# Altium PCB CRD25DA12N-FMC V1.1 (07-2023).PcbDoc (part 2 of 7) (continued)
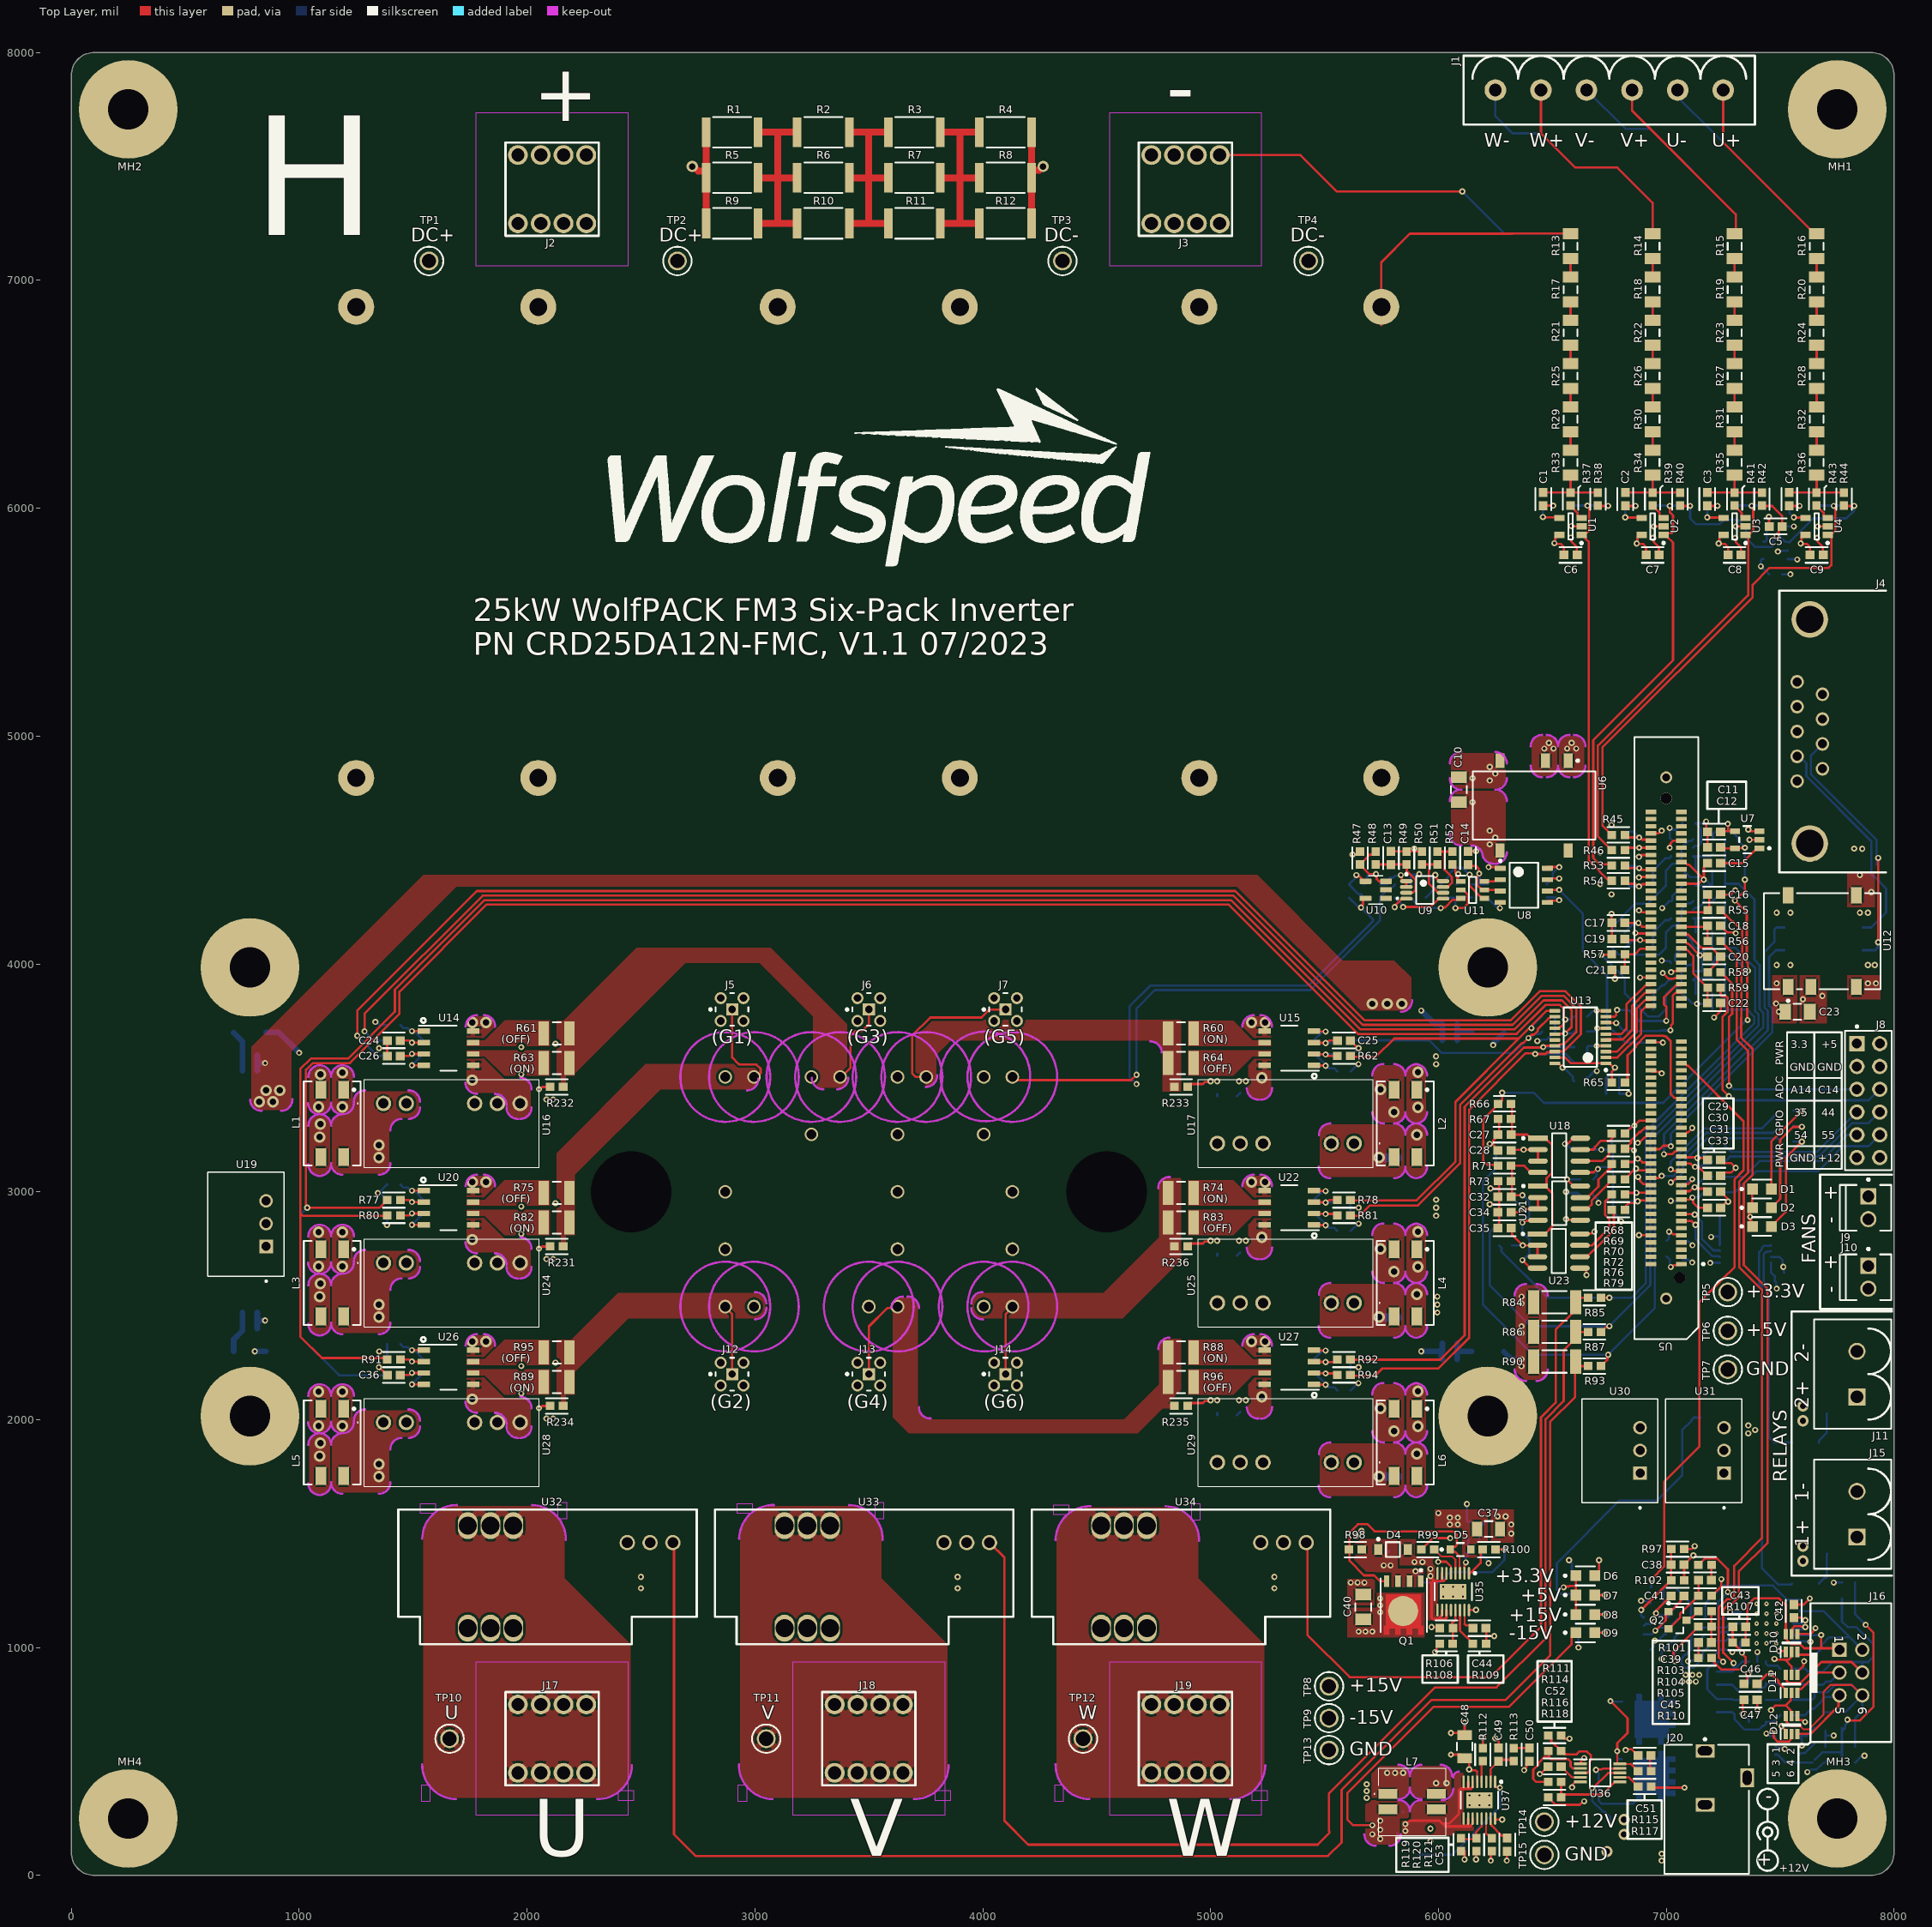
[diagram p0: Top Layer view]
## Part data (continued)
J2 J3 J17 J18 J19: "TERM REDCUBE M4 8PIN PCB", Current Rating=80A, Manufacturer="WURTH ELEKTRONIK", Manufacturer Print=WURTH, Max Operating Temperature=135°C, Min Operating Temperature=-40°C, Package=N/A, Package Quantity=250, Supplier Part Number 1=1224952, Category=Terminals, ComponentLink1Description=https://datasheet.ciiva.com/8043/1736661-8043578.pdf?src-supplier=Element14, ComponentLink1URL=https://datasheet.ciiva.com/8043/1736661-8043578.pdf?src-supplier=Element14, ComponentLink2Description=https://datasheet.ciiva.com/13538/powerelements20with20220row20pin20plate-13538549.pdf?src-supplier=Mouser, ComponentLink2URL=https://datasheet.ciiva.com/13538/powerelements20with20220row20pin20plate-13538549.pdf?src-supplier=Mouser, ComponentLink3Description=https://datasheet.ciiva.com/23814/606286-23814304.pdf?src-supplier=Newark, ComponentLink3URL=https://datasheet.ciiva.com/23814/606286-23814304.pdf?src-supplier=Newark, ComponentLink4Description=https://datasheet.ciiva.com/847/bushes-847081.pdf?src-supplier=Digi-Key, ComponentLink4URL=https://datasheet.ciiva.com/847/bushes-847081.pdf?src-supplier=Digi-Key, Contact Material=Copper, Contact Plating=Tin, Height=10.5mm, Insulation=Non-Insulated, Length=9mm, Manufacturer Part Number=7460307, Mount="Through Hole", Number of Contacts=8, Number of Pins=8, Number of Rows=2, Packaging=Bulk, RoHS=Yes, RoHS Compliant=Yes, Series="REDCUBE WP-BUTR", Stock 1=1875, Supplier 1=Rs, Termination=Press-Fit, Thread Size=M4, Width=9mm
J4: "CONN D-SUB PLUG 9POS R/A SLDR", Color=Black, Current Rating=5A, Manufacturer=AMPHENOL, Max Operating Temperature=155°C, Max Supply Voltage (AC)=250V, Min Operating Temperature=-55°C, Package=N/A, Supplier Part Number 1=70145033, Category=Uncategorized, ComponentLink1Description=https://datasheet.ciiva.com/16443/l717sde09pa4ch4rc309-16443356.pdf?src-supplier=Future+Electronics, ComponentLink1URL=https://datasheet.ciiva.com/16443/l717sde09pa4ch4rc309-16443356.pdf?src-supplier=Future+Electronics, ComponentLink2Description=https://datasheet.ciiva.com/12662/l717sde09pa4ch4rc309-12662371.pdf?src-supplier=Mouser, ComponentLink2URL=https://datasheet.ciiva.com/12662/l717sde09pa4ch4rc309-12662371.pdf?src-supplier=Mouser, ComponentLink3Description=https://datasheet.ciiva.com/16914/70145027-16914009.pdf?src-supplier=Allied+Electronics, ComponentLink3URL=https://datasheet.ciiva.com/16914/70145027-16914009.pdf?src-supplier=Allied+Electronics, ComponentLink4Description=https://datasheet.ciiva.com/16748/sd-hdh808-16748518.pdf?, ComponentLink4URL=https://datasheet.ciiva.com/16748/sd-hdh808-16748518.pdf?, Connector Type=D-Sub,Plug, Contact Material=Brass, Contact Plating=Gold, Contact Type=Signal, Depth=20.3mm, Housing Material=Thermoplastic, Lead Free="Lead Free", Length=30.81mm, Manufacturer Part Number=L717SDE09PA4CH4RC309, Mount="Through Hole", Number of Contacts=9, Number of Ports=1, Number of Positions=9, Number of Rows=2, Number of Terminals/Pins=9, Orientation="Right Angle", Packaging=Tray, Pitch=2.74mm, RoHS=Yes, RoHS Compliant=Yes, Series=SD, Supplier 1="Allied Electronics", Termination=Solder, Voltage Rating=250V
J5 J6 J7 J12 J13 J14: "CONN MMCX JACK STR 50 OHM PCB", Manufacturer=MOLEX, Manufacturer Part Number=73415-1471, Max Frequency=6GHz, Operating Frequency=N/A, Package Quantity=500, Supplier Part Number 1=70364031, Body Material=Brass, Body Plating=Gold, Category="RF / Coaxial Connectors", Connector Type=PCB,MMCX,Coaxial, Contact Material=Copper, Contact Plating=Gold, Depth=3.51mm, Gender=Female, Halogen Free="Low Halogen", Impedance=50R, Insulation Material=Teflon, Lead Free="Lead Free", Length=3.51mm, Manufacturer Print=MOLEX, Mount="Through Hole", Orientation=Straight, Package=N/A, Packaging=Bulk, Plating=Gold, Pricing 1="1=2.94000, 5=2.79000, 100=2.65000 (USD)", Radiation Hardening=No, RoHS=Yes, RoHS Compliant=Yes, Series=73415, Stock 1=18, Supplier 1="Allied Electronics", Termination=Solder
J8: "CONN HEADER VERT 12POS 2.54MM", Color=Black, Flammability Rating="UL94 V-0", Manufacturer="WURTH ELEKTRONIK", Manufacturer Print=WURTH, Max Operating Temperature=105°C, Min Operating Temperature=-40°C, Package=N/A, Supplier Part Number 1=732-5297-ND, Voltage Rating=250V, Category="Headers and Wire Housings", ComponentLink1Description=http://www.farnell.com/datasheets/1442180.pdf?src-supplier=Farnell, ComponentLink1URL=http://www.farnell.com/datasheets/1442180.pdf?src-supplier=Farnell, ComponentLink2Description=http://www.farnell.com/datasheets/1442180.pdf?src-supplier=Newark, ComponentLink2URL=http://www.farnell.com/datasheets/1442180.pdf?src-supplier=Newark, ComponentLink3Description=http://www.farnell.com/datasheets/1442180.pdf?src-supplier=Element14, ComponentLink3URL=http://www.farnell.com/datasheets/1442180.pdf?src-supplier=Element14, ComponentLink4Description=https://katalog.we-online.de/em/datasheet/6130xx21121.pdf?src-supplier=Digi-Key, ComponentLink4URL=https://katalog.we-online.de/em/datasheet/6130xx21121.pdf?src-supplier=Digi-Key, Connector Type=Header, Contact Finish - Mating=GOLD, Contact Material="Copper Alloy,Copper", Contact Mating Length=0.236inch, Contact Plating=Gold, Contact Shape=Square, Contact Type="Male Pin", Fastening Type=Pull, Gender=Male, Insulation Color=Black, Insulation Material=Nylon, Manufacturer Part Number=61301221121, Mount="Through Hole", Number of Contacts=12, Number of Positions=12, Number of Rows=2, Packaging=Bulk, Pitch=0.1inch, Pricing 1="1=0.83000, 10=0.70700, 25=0.58920, 50=0.49100, 100=0.44700, 1000=0.40600 (USD)", RoHS=Yes, RoHS Compliant=Yes, Row Spacing=0.1inch, Series=WR-PHD, Stock 1=5429, Supplier 1=Digi-Key, Termination=Solder
J9 J10: library part CMP-2000-05417-1, "CONN HEADER VERT 2POS 2.54MM", Color=White, Current, Rating="5 /  / A", Flammability Rating=UL94V-0, Manufacturer=TE, Package=N/A, Temperature, Operating="-55to+105 /  / degC", Voltage, Rating="250 /  / V", Agency Approvals=CSA,UL, Angle=Straight, Brand/Series=MTA-100Series, Color, Housing=White, Connector Type=MTA-100, Contact Centerline Spacing="0.100 /  / in.", Contact Mating Area Plating=Tin, Contact Plating=Tin, Contact Shape=Square, Contact Termination Area Plating=Tin, Datasheet URL=https://datasheet.ciiva.com/11746/0900766b80eb7fdd-11746365.pdf, Datasheet Version="Rev. W, 06/2004", Length, Overall="0.2 /  / \"", Length, Pin="0.14 /  / \"", Length, Terminal Post="0.14 /  / in.", Manufacturer Part Number=640456-2, Manufacturer Print=TE, Manufacturer URL=http://www.te.com/, Material, Contact=CopperAlloy, Material, Housing=Polyester, Mount Angle=Vertical, Mounting Hole Size="0.04 /  / \"", Mounting Type=PCMount, Number of Contacts=2, Number of Positions=2, Number of Rows=1, Pin Spacing="0.1 /  / \"", Primary Type=InterconnectSystem, Size, Post="0.025 /  / in.", Special Features=Pinstrip, Standards=RoHSCompliant,ELVCompliant,UL94V-0, Termination=Solder, Type=PCBPlug
J11 J15: "TERM BLOCK HDR 2POS VERT 5.08MM", Colour=Green, Manufacturer="PHOENIX CONTACT", Package=N/A, Supplier Part Number 1=1896199, Content=250pc(s), Datasheet URL=http://www.mouser.com/ds/2/324/ItemDetail_1755736-921028.pdf, Datasheet Version=Apr-16, Industrial packaging=Yes, Manufacturer Part Number=1755736, Manufacturer URL=http://www.phoenixcontact.com/, Number of Contacts=2, Pitch=5.08mm, Supplier 1=Rs, Type=MSTBVA2,5/2-G-5,08
J16: library part CMP-1502-00000-1, "CONN HEADER VERT 6POS 2.54MM", Contact Resistance=20mOhm, Manufacturer="WURTH ELECTRONIK", Operating Temperature=-40to125degC, Package=N/A, Withstanding Voltage=500VAC, Working Voltage=250VAC, Datasheet URL=https://katalog.we-online.de/em/datasheet/6120xx21621.pdf, Gender=Male, Manufacturer Part Number=61200621621, Manufacturer URL=http://www.we-online.de, Mounting Technology=THT, Orientation=Vertical, Package Reference=61200621621, Packaging=Tray, Pin Number=6, Pitch=2.54mm, Published Date=August2018, Publisher=WurthElektronik
J20: "CONN PWR JACK 2X5.5MM SOLDER", Color=Black, Current Rating=5A, Flammability Rating="UL94 V-0", Insulation Resistance=50MR, Manufacturer="CUI DEVICES", Max Operating Temperature=85°C, Min Operating Temperature=-25°C, Package=N/A, Package Quantity=280, Voltage Rating=24V, Category=Uncategorized, ComponentLink1Description=http://www.mouser.com/ds/2/670/PJ-102AH-524179.pdf?src-supplier=Mouser, ComponentLink1URL=http://www.mouser.com/ds/2/670/PJ-102AH-524179.pdf?src-supplier=Mouser, ComponentLink2Description=https://www.cui.com/product/resource/digikeypdf/pj-102ah.pdf?src-supplier=Digi-Key, ComponentLink2URL=https://www.cui.com/product/resource/digikeypdf/pj-102ah.pdf?src-supplier=Digi-Key, ComponentLink3Description=http://www.cui.com/Product/Resource/FuturePDF/PJ-102AH.pdf?src-supplier=Future+Electronics, ComponentLink3URL=http://www.cui.com/Product/Resource/FuturePDF/PJ-102AH.pdf?src-supplier=Future+Electronics, Connector Type=Jack, Contact Gender=Male, Contact Material=Copper, Contact Plating=Nickel, Diameter=2.1mm, Gender=Male, Housing Color=Black, Housing Material=Thermoplastic, Lead Free="Lead Free", Manufacturer Part Number=PJ-102AH, Manufacturer Print="CUI DEVICES", Mount="Through Hole", Number of Conductors=2, Orientation=Horizontal, Packaging=Bulk, RoHS=Yes, RoHS Compliant=Yes, Series=-, Shielding=Unshielded, Supplier 1="Arrow Electronics", Supplier Part Number 1=PJ-102AH, Termination="Through Hole"
L1 L2 L3 L4 L5 L6: "CMC 10UH 1.6A 2LN 920 OHM SMD", Case/Package=SMD/SMT, Current=1.6A, DC Resistance (DCR)=80mR, Inductance=10uH, Manufacturer="WURTH ELECTRONIK", Manufacturer Print=WURTH, Max Operating Temperature=125°C, Min Operating Temperature=-40°C, Package=4-PC, Package Quantity=1, Supplier Part Number 1=9040408, Test Frequency=1kHz, TOLERANCE=30%, Voltage Rating=80V, Category="Common Mode Chokes", ComponentLink1Description=https://datasheet.ciiva.com/12378/744226s-67907-12378330.pdf?src-supplier=Mouser, ComponentLink1URL=https://datasheet.ciiva.com/12378/744226s-67907-12378330.pdf?src-supplier=Mouser, ComponentLink2Description=https://datasheet.ciiva.com/1008/744226s-1008438.pdf?src-supplier=Digi-Key, ComponentLink2URL=https://datasheet.ciiva.com/1008/744226s-1008438.pdf?src-supplier=Digi-Key, ComponentLink3Description=https://datasheet.ciiva.com/1126/1735584-1126949.pdf?src-supplier=Element14, ComponentLink3URL=https://datasheet.ciiva.com/1126/1735584-1126949.pdf?src-supplier=Element14, ComponentLink4Description=https://datasheet.ciiva.com/6868/1696373-6868167.pdf?src-supplier=Newark, ComponentLink4URL=https://datasheet.ciiva.com/6868/1696373-6868167.pdf?src-supplier=Newark, ComponentLink5Description=https://datasheet.ciiva.com/1008/744226s-1008439.pdf?src-supplier=Digi-Key, ComponentLink5URL=https://datasheet.ciiva.com/1008/744226s-1008439.pdf?src-supplier=Digi-Key, ComponentLink6Description=https://datasheet.ciiva.com/1008/744226s-1008440.pdf?src-supplier=Digi-Key, ComponentLink6URL=https://datasheet.ciiva.com/1008/744226s-1008440.pdf?src-supplier=Digi-Key, ComponentLink7Description=https://datasheet.ciiva.com/26308/744226s-eng-tds-26308764.pdf?src-supplier=Distrelec, ComponentLink7URL=https://datasheet.ciiva.com/26308/744226s-eng-tds-26308764.pdf?src-supplier=Distrelec, ComponentLink8Description=https://datasheet.ciiva.com/48691/001087362-da-01-ml-we-sl2-stromkomp-smd-line-filter-7-de-en-48691435.pdf?src-supplier=Conrad, ComponentLink8URL=https://datasheet.ciiva.com/48691/001087362-da-01-ml-we-sl2-stromkomp-smd-line-filter-7-de-en-48691435.pdf?src-supplier=Conrad, Current Rating=1.6A, Height=0.205inch, Impedance=920R, Lead Free="Lead Free", Length=9.2mm, Manufacturer Part Number=744226S, Max Current Rating=1.6A, Max DC Current=1.6A, Mount="Surface Mount", Number of Lines=2, Packaging="Tape and Reel", Pricing 1="1=2.59000, 25=2.28200, 100=2.10000, 250=1.94000, 500=1.81400 (USD)", Reach SVHC Compliant=Yes, Resistance=80mR, RoHS=Yes, RoHS Compliant=Yes, Series=WE-SL2, Stock 1=1, Supplier 1=Rs, Termination=SMD/SMT, Weight=0.017672oz, Width=6mm
L7: "CMC 6.8UH 2.1A 2LN 70 MOHM SMD", DC Resistance (DCR)=70mR, Inductance - Parallel=6.8uH, Inductance - Series=27.2uH, Manufacturer=COILCRAFT, Max DC Current=2.1A, Max Operating Temperature=85°C, Min Operating Temperature=-40°C, Package=N/A, Package Quantity=250, Supplier Part Number 1=994-MSD7342-682MLC, TOLERANCE=20%, Category="Fixed Inductors", ComponentLink1Description=http://www.mouser.com/ds/2/597/msd7342-220556.pdf?src-supplier=Mouser, ComponentLink1URL=http://www.mouser.com/ds/2/597/msd7342-220556.pdf?src-supplier=Mouser, Core Material=Ferrite, Datasheet Link=https://www.coilcraft.com/pdfs/msd7342.pdf, Height=4.6mm, Lead Free="Contains Lead", Length=7.5mm, Manfacturer Print=COILCRAFT, Manufacturer Part Number=MSD7342-682MLC, Manufacturer_Name=COILCRAFT, Manufacturer_Part_Number=MSD7342-682MLC, Packaging="Tape and Reel", Pricing 1="1=2.61000, 10=2.33000, 50=2.10000, 100=1.94000, 1000=1.33000, 10000=1.31000 (USD)", RoHS=Yes, RoHS Compliant=Yes, Series=MSD7342, Stock 1=83, Supplier 1=Mouser, Termination=SMD/SMT, Width=7.5mm
L8: "FIXED IND 3.3UH 3.3A 27 MOHM SMD", Case/Package=Nonstandard, Current Rating=3.3A, DC Resistance (DCR)=27mR, Inductance=3.3μH, Manufacturer="TAIYO YUDEN", Max Operating Temperature=120°C, Min Operating Temperature=-25°C, Package=N/A, Resistor Type=Wirewound, Saturation Current=4A, Self Resonant Frequency=32MHz, Test Frequency=100kHz, TOLERANCE=30%, Category="Fixed Inductors", ComponentLink1Description=https://www.yuden.co.jp/productdata/catalog/wound04_e.pdf?src-supplier=Digi-Key, ComponentLink1URL=https://www.yuden.co.jp/productdata/catalog/wound04_e.pdf?src-supplier=Digi-Key, ComponentLink2Description=http://www.yuden.co.jp/productdata/catalog/en/wound04_e.pdf?src-supplier=Digi-Key, ComponentLink2URL=http://www.yuden.co.jp/productdata/catalog/en/wound04_e.pdf?src-supplier=Digi-Key, Core Material=Ferrite, Datasheet Link=https://datasheet.datasheetarchive.com/originals/distributors/DKDS42/DSANUWW0054077.pdf, Height=4.1mm, Height - Seated (Max)=0.161inch, Length=0.193inch, Manufacturer Part Number=NRS5040T3R3NMGJ, Manufacturer_Name="TAIYO YUDEN", Manufacturer_Part_Number=NRS5040T3R3NMGJ, Max DC Current=3.3A, Mount="Surface Mount", Packaging="Tape and Reel", Pricing 1="1500=0.13148 (USD)", RoHS=Yes, RoHS Compliant=Yes, Shielding=Shielded, Stock 1=21000, Supplier 1=Avnet, Supplier Part Number 1=NRS5040T3R3NMGJ, Width=0.193inch
MH1 MH2 MH3 MH4: "HEX STANDOFF M4 ALUMINUM 51MM F-F", Manufacturer=MCMASTER-CARR, Manufacturer Part Number=95947A552, Package=N/A, Size=M4
Q1: "MOSFET P-CH 60V 8.6A PPAK SO-8", Continuous Drain Current=-8.6A, Drain To Source Resistance=0.0115Ω, Drain To Source Voltage=-60V, Gate To Source Voltage=20V, Manufacturer=VISHAY, Max Forward Diode Voltage=-1.2V, Max Junction Temp=+150°C, Package="PowerPAK SO-8", Power Dissipation=1.9W, Pulse Drain Current=-60A, Temperature="-55°C to +150°C", Temperature Range Low=-55°C, Typ Forward Diode Voltage=-0.8V, Automotive=No, Category=Trans, ComponentLink2Description=Datasheet, ComponentLink2URL=http://www.vishay.com/docs/72567/si7461dp.pdf, Depletion Mode=False, Device Class L1="Discrete Semiconductors", Device Class L2=Transistors, Device Class L3=MOSFETs, Digikey Description="MOSFET P-CH 60V 8.6A PPAK SO-8", Gate Charge At Vgs="121nC @ -10V", Height=1.17mm, Lead Free=Yes, Manufacturer Part Number=SI7461DP-T1-E3, Mouser Description="MOSFET 60V 14.4A 5.4W 14.5mohm @ 10V", Number Of Channels=1, Number Of P Channels=1, Octopart=https://octopart.com/si7461dp-t1-e3-vishay-42273025, Reverse Recovery Time=45ns, RoHS=TRUE, Rthja Max=52°C/W, Standoff Height=0mm, Temperature Range High=+150°C, Threshold Vgs Max=-3V, Threshold Vgs Min=-1V, Transconductance=31S, Turn Off Delay Time=205ns, Turn On Delay Time=20ns
Q2: library part CMP-1048-00731-1, "TRANS NPN 45V 0.5A SOT23-3", Manufacturer=ONSEMI, Package=SOT-23-3, ComponentLink1Description="Manufacturer URL", ComponentLink1URL=http://www.onsemi.com/, ComponentLink2Description=Datasheet, ComponentLink2URL=http://www.onsemi.com/pub_link/Collateral/BC817-16LT1-D.PDF, ComponentLink3Description="Package Specification", ComponentLink3URL=http://www.onsemi.cn/pub_link/Collateral/318-08.PDF, DatasheetVersion="Rev. 12", fT Min (MHz)=100, IC Continuous (A)=0.5, Manufacturer Part Number=BC817-16LT3G, Mounting Technology="Surface Mount", PackageDescription="3-Pin Small Outline Transistor, Body 2.92 x 1.3 mm, Pitch 0.95 mm", PackageReference=SOT-23-3-318-08, PackageVersion="Rev. AP, 11/2009", Packing="Tape and Reel", PartNumber=BC817-16LT3G, Polarity=NPN, RoHS=TRUE
Q3: "1200V silicon carbide six-pack power module delivering maximum power density", Manufacturer=WOLFSPEED, Mfr_Name="Cree Wolfspeed", Package=FMC, Category=MOSFETs, Copyright="Copyright (C) 2021 Ultra Librarian. All rights reserved.", Manufacturer Part Number=CCB021M12FM3, Manufacturer Print=WOLFSPEED, Manufacturer_Part_Number=CCB021M12FM3, Pricing 1="1=248.05500, 10=245.57100, 25=243.75400, 50=241.29300, 100=238.84350, 500=236.39400 (USD)", RefDes=RefDes, RoHS=No, Stock 1=52, Supplier 1="Arrow Electronics", Supplier Part Number 1=CCB021M12FM3, Type=DEV
Q4 Q5: library part CMP-1046-00010-1, "TRANS NPN 80V 8A DPAK", Manufacturer=ONSEMI, Package=TO-252-3, ComponentLink1Description="Manufacturer URL", ComponentLink1URL=http://www.onsemi.com/, ComponentLink2Description=Datasheet, ComponentLink2URL=http://www.onsemi.cn/pub_link/Collateral/MJD44H11-D.PDF, ComponentLink3Description="Package Specification", ComponentLink3URL=http://www.onsemi.cn/pub_link/Collateral/369C.PDF, DatasheetVersion="Rev. 16", IC Continuous (A)=8, Manufacturer Part Number=MJD44H11T4G, Mounting Technology="Surface Mount", PackageDescription="3-Pin Flange Mount, Body 6.54 x 6.095 mm, Pitch 2.29 mm", PackageReference=DPAK-3-369C-01, PackageVersion="Rev. E, 02/2014", Packing="Tape and Reel", PartNumber=MJD44H11T4G, Polarity=NPN, RoHS=TRUE
Q6 Q7: "MOSFET N-CH 120V 90A PWRDI5060-8", Manufacturer="DIODES INC", Package=8-PowerTDFN, Supplier Part Number 1=68AH9585, Category=MOSFETs, Manufacturer Part Number=DMT12H007LPS-13, Pricing 1="1=1.79000, 10=1.60000, 25=1.49000, 50=1.37000, 100=1.25000, 250=1.14000, 500=1.03000, 1000=0.81500 (USD)", RoHS=Yes, RoHS Compliant=Yes, Stock 1=2500, Supplier 1=Newark
R1 R2 R3 R4 R5 R6 R7 R8 R9 R10 R11 R12: library part CMP-03211-002966-1, "RES 220K OHM 1% 2W 2512", Ambient Temperature Range High=+70°C, Manufacturer=TE, Package=2512, Power Rating=2W, Resistance=220kΩ, Temperature="-55°C to +155°C", Temperature Coefficient=±100ppm/°C, Temperature Range High=+155°C, Temperature Range Low=-55°C, TOLERANCE=0.01, Voltage Rating=500V, Automotive=No, Category=Res, ComponentLink2Description=Datasheet, ComponentLink2URL=https://www.mouser.ca/datasheet/2/418/NG_DS_9-1773463-9_A-1358566.pdf, Composition="Thick Film", Device Class L1="Passive Components", Device Class L2=Resistors, Device Class L3="Chip SMD Resistors", Height=0.65mm, Ipc Land Pattern Name=RESC635320X55, Lead Free=Yes, Manufacturer Part Number=CRGP2512F220K, Octopart=https://octopart.com/crgp2512f220k-te+connectivity-91019045, RoHS=TRUE, Series=CRGP
R13 R14 R15 R16 R17 R18 R19 R20 R21 R22 R23 R24 R25 R26 R27 R28 R29 R30 R31 R32 R33 R34 R35 R36 R122 R123 R124 R125 R126 R127 R128 R129 R130 R131 R132 R133 R134 R135 R136 R137 R138 R139 R140 R141 R142 R143 R144 R145: library part CMP-2003-04604-1, "RES 249K OHM 0.1% 1/4W 1206", Manufacturer="VISHAY DALE", Package=1206, POWER=0.25W, Resistance=249kΩ, Manufacturer Part Number=TNPW1206249KBEEA
R37 R39 R41 R43 R147 R149 R151 R153: "RES 4.99K OHM 1% 1/10W 0603", Case Code (Imperial)=0603, Case Code (Metric)=1608, Manufacturer=YAGEO, Max Operating Temperature=155°C, Max Power Dissipation=0.1W, Min Operating Temperature=-55°C, Package Quantity=1, Resistance=4.99kΩ, Resistance Tolerance=1%, Resistor Type="Thick Film", Supplier Part Number 1=1995595, Temperature Coefficient=100ppm/°C, Voltage Rating=75V, Voltage Rating (DC)=50V, Category="Chip SMD Resistors", ComponentLink1Description=https://datasheet.ciiva.com/7983/443971-7983646.pdf?src-supplier=Element14, ComponentLink1URL=https://datasheet.ciiva.com/7983/443971-7983646.pdf?src-supplier=Element14, ComponentLink2Description=https://datasheet.ciiva.com/22747/443971-22747529.pdf?src-supplier=Element14, ComponentLink2URL=https://datasheet.ciiva.com/22747/443971-22747529.pdf?src-supplier=Element14, ComponentLink3Description=https://datasheet.ciiva.com/2453/pyu-r-int-thick-7-2453980.pdf?src-supplier=Digi-Key, ComponentLink3URL=https://datasheet.ciiva.com/2453/pyu-r-int-thick-7-2453980.pdf?src-supplier=Digi-Key, ComponentLink4Description=https://datasheet.ciiva.com/2453/pyu-r-int-thick-7-2453981.pdf?src-supplier=Digi-Key, ComponentLink4URL=https://datasheet.ciiva.com/2453/pyu-r-int-thick-7-2453981.pdf?src-supplier=Digi-Key, ComponentLink5Description=https://datasheet.ciiva.com/2453/pyu-r-int-thick-7-2453979.pdf?src-supplier=Digi-Key, ComponentLink5URL=https://datasheet.ciiva.com/2453/pyu-r-int-thick-7-2453979.pdf?src-supplier=Digi-Key, Construction=Rectangular, Depth=0.8mm, Features="Moisture Resistant", Height=0.45mm, Lead Free="Lead Free", Length=1.6mm, Manufacturer Part Number=RC0603FR-074K99L, Military Standard=Not, Number of Pins=2, Number of Terminations=2, Package=0603, Packaging="Tape and Reel", Power Rating=0.1W, RoHS=Yes, RoHS Compliant=Yes, Series=RC, Size Code=0603, Stock 1=3700, Supplier 1=Rs, Termination=SMD/SMT, TOLERANCE=1%, Weight=7.1E-05oz, Width=0.8mm
R38 R152: "RES SMD 3.74K OHM 0.1% 1/5W 0603", Case Code (Imperial)=0603, Case Code (Metric)=1608, Manufacturer=PANASONIC, Max Operating Temperature=155°C, Max Power Dissipation=0.2W, Min Operating Temperature=-55°C, Resistance=3.74kΩ, Resistor Type="Thick Film", Temperature Coefficient=50ppm/°C, TOLERANCE=0.1%, Category="Chip SMD Resistors", ComponentLink1Description=https://industrial.panasonic.com/sa/system/files/data/download/catalog/id_fixed-resistors_e_2.pdf?src-supplier=Digi-Key, ComponentLink1URL=https://industrial.panasonic.com/sa/system/files/data/download/catalog/id_fixed-resistors_e_2.pdf?src-supplier=Digi-Key, Features="Automotive AEC-Q200", Height - Seated (Max)=0.022inch, Length=0.063inch, Manufacturer Part Number=ERJ-PB3B3741V, Number of Terminations=2, Package=0603, Packaging="Tape and Reel", Pricing 1="1=0.04530, 10=0.01990, 100=0.01980 (USD)", RoHS=Yes, Stock 1=1328, Supplier 1="Arrow Electronics", Supplier Part Number 1=ERJ-PB3B3741V, Width=0.032inch
R40 R42 R44 R146 R148 R150: "RES SMD 1.8K OHM 0.1% 1/5W 0603", Case Code (Imperial)=0603, Case Code (Metric)=1608, Manufacturer=PANASONIC, Max Operating Temperature=155°C, Max Power Dissipation=0.2W, Min Operating Temperature=-55°C, Resistance=1.8kΩ, Resistor Type="Thick Film", Temperature Coefficient=50ppm/°C, TOLERANCE=0.1%, Category="Chip SMD Resistors", ComponentLink1Description=https://industrial.panasonic.com/sa/system/files/data/download/catalog/id_fixed-resistors_e_2.pdf?src-supplier=Digi-Key, ComponentLink1URL=https://industrial.panasonic.com/sa/system/files/data/download/catalog/id_fixed-resistors_e_2.pdf?src-supplier=Digi-Key, Features="Automotive AEC-Q200", Height - Seated (Max)=0.022inch, Length=0.063inch, Manufacturer Part Number=ERJ-PB3B1801V, Number of Terminations=2, Package=0603, Packaging="Tape and Reel", Pricing 1="1=0.24860, 10=0.21250, 25=0.15580, 100=0.08750, 250=0.07800, 500=0.04680, 1000=0.02760, 3000=0.02730, 6000=0.02700 (USD)", RoHS=Yes, Stock 1=7475, Supplier 1="Arrow Electronics", Supplier Part Number 1=ERJ-PB3B1801V, Width=0.032inch
R45 R46 R53 R54 R57 R62 R65 R68 R69 R70 R72 R76 R77 R78 R79 R80 R81 R91 R92 R94 R168 R171 R181 R182 R186 R194 R198 R199 R204: "RES SMD 49.9 OHM 1% 1/10W 0603", Case Code (Imperial)=0603, Case Code (Metric)=1608, Manufacturer=PANASONIC, Max Operating Temperature=155°C, Max Power Dissipation=100mW, Min Operating Temperature=-55°C, Package Quantity=5000, Power Rating=0.1W, Resistance=49.9Ω, Resistance Tolerance=1%, Resistor Type="Thick Film", Supplier Part Number 1=12AC1058, Temperature Coefficient=100ppm/°C, Voltage Rating=75V, Voltage Rating (DC)=50V, Working Voltage=6V, Category="Chip SMD Resistors", ComponentLink1Description=https://datasheet.ciiva.com/46388/1678782-46388908.pdf?src-supplier=Element14, ComponentLink1URL=https://datasheet.ciiva.com/46388/1678782-46388908.pdf?src-supplier=Element14, ComponentLink2Description=https://datasheet.ciiva.com/28694/1678782-28694219.pdf?src-supplier=Element14, ComponentLink2URL=https://datasheet.ciiva.com/28694/1678782-28694219.pdf?src-supplier=Element14, ComponentLink3Description=https://datasheet.ciiva.com/16772/70260748-16772570.pdf?src-supplier=Allied+Electronics, ComponentLink3URL=https://datasheet.ciiva.com/16772/70260748-16772570.pdf?src-supplier=Allied+Electronics, ComponentLink4Description=https://datasheet.ciiva.com/16766/70260748-16766262.pdf?src-supplier=Allied+Electronics, ComponentLink4URL=https://datasheet.ciiva.com/16766/70260748-16766262.pdf?src-supplier=Allied+Electronics, ComponentLink5Description=https://datasheet.ciiva.com/9117/aoa0000ce2-9117128.pdf?src-supplier=Avnet, ComponentLink5URL=https://datasheet.ciiva.com/9117/aoa0000ce2-9117128.pdf?src-supplier=Avnet, ComponentLink6Description=https://datasheet.ciiva.com/48531/aoa0000ce2-48531019.pdf?src-supplier=Avnet, ComponentLink6URL=https://datasheet.ciiva.com/48531/aoa0000ce2-48531019.pdf?src-supplier=Avnet, ComponentLink7Description=https://datasheet.ciiva.com/30095/aoa0000ce2-30095355.pdf?src-supplier=Onlinecomponents.com, ComponentLink7URL=https://datasheet.ciiva.com/30095/aoa0000ce2-30095355.pdf?src-supplier=Onlinecomponents.com, Construction=Rectangular, Contact Plating=Tin, Depth=0.8mm, Features="Automotive AEC-Q200", Height=0.022inch, Lead Free="Lead Free", Length=1.6mm, Manufacturer Part Number=ERJ-3EKF49R9V, Military Standard=Not, Mount="Surface Mount", Number of Terminations=2, Package=0603, Packaging="Tape and Reel", Pricing 1="1=0.00600, 5000=0.00600 (USD)", Radiation Hardening=No, Reach SVHC Compliant=Yes, RoHS=Yes, RoHS Compliant=Yes, Series=ERJ, Stock 1=670000, Supplier 1=Newark, Technology="THICK FILM", Termination=SMD/SMT, TOLERANCE=1%, Width=0.8mm
R47 R66 R73: "RES SMD 1.3K OHM 0.1% 1/10W 0603", Case Code (Imperial)=0603, Case Code (Metric)=1608, Manufacturer=PANASONIC, Manufacturer Part Number=ERA-3AEB132V, Max Operating Temperature=155°C, Max Power Dissipation=100mW, Min Operating Temperature=-55°C, Package Quantity=1, Power Rating=0.1W, Ratings=AEC-Q200, Resistance=1.3kΩ, Resistance Tolerance=0.1%, Resistor Type="Thin Film", Temperature Coefficient=25ppm/°C, Voltage Rating=75V, Category="Chip SMD Resistors", ComponentLink1Description=https://datasheet.ciiva.com/29183/450807-da-01-en-widerstand-0603-era-29183761.pdf?src-supplier=Conrad, ComponentLink1URL=https://datasheet.ciiva.com/29183/450807-da-01-en-widerstand-0603-era-29183761.pdf?src-supplier=Conrad, ComponentLink2Description=https://datasheet.ciiva.com/6001/485442-6001669.pdf?src-supplier=Farnell, ComponentLink2URL=https://datasheet.ciiva.com/6001/485442-6001669.pdf?src-supplier=Farnell, ComponentLink3Description=https://datasheet.ciiva.com/6001/485442-6001671.pdf?src-supplier=Farnell, ComponentLink3URL=https://datasheet.ciiva.com/6001/485442-6001671.pdf?src-supplier=Farnell, ComponentLink4Description=https://datasheet.ciiva.com/48530/era-eng-tds-48530511.pdf?src-supplier=Distrelec, ComponentLink4URL=https://datasheet.ciiva.com/48530/era-eng-tds-48530511.pdf?src-supplier=Distrelec, ComponentLink5Description=https://datasheet.ciiva.com/48425/era-eng-tds-48425420.pdf?src-supplier=Distrelec, ComponentLink5URL=https://datasheet.ciiva.com/48425/era-eng-tds-48425420.pdf?src-supplier=Distrelec, ComponentLink6Description=https://datasheet.ciiva.com/24069/aoa0000ce26-197354-24069145.pdf?src-supplier=Mouser, ComponentLink6URL=https://datasheet.ciiva.com/24069/aoa0000ce26-197354-24069145.pdf?src-supplier=Mouser, ComponentLink7Description=https://datasheet.ciiva.com/30069/54aoa0000ce26-30069735.pdf?src-supplier=Onlinecomponents.com, ComponentLink7URL=https://datasheet.ciiva.com/30069/54aoa0000ce26-30069735.pdf?src-supplier=Onlinecomponents.com, Construction=Rectangular, Contact Plating=Tin, Depth=0.8mm, Features="Automotive AEC-Q200", Height=0.45mm, Lead Free="Lead Free", Length=1.6mm, Military Standard=Not, Mount="Surface Mount", Number of Pins=2, Number of Terminations=2, Package=0603, Packaging="Tape and Reel", Pricing 1="1=0.31630, 10=0.27230, 25=0.26980, 100=0.11100, 250=0.10990, 500=0.06700, 1000=0.04610 (USD)", Radiation Hardening=No, Reach SVHC Compliant=Yes, RoHS=Yes, RoHS Compliant=Yes, Series=ERA-3A, Stock 1=2183, Supplier 1="Arrow Electronics", Supplier Part Number 1=ERA-3AEB132V, Technology="THIN FILM", Termination=SMD/SMT, TOLERANCE=0.1%, Voltage Rating (DC)=75V, Width=0.8mm
R48: "RES SMD 15.4K OHM 1% 1/10W 0603", Case Code (Imperial)=0603, Case Code (Metric)=1608, Manufacturer=SAMSUNG, Max Operating Temperature=155°C, Max Power Dissipation=100mW, Min Operating Temperature=-55°C, Package Quantity=1, Power Rating=0.1W, Resistance=15.4kΩ, Resistor Type="Thick Film", Temperature Coefficient=100ppm/°C, TOLERANCE=1%, Voltage Rating (DC)=50V, Category="Chip SMD Resistors", ComponentLink1Description=https://datasheet.ciiva.com/26333/451155-da-01-en-widerstand-0603-26333685.pdf?src-supplier=Conrad, ComponentLink1URL=https://datasheet.ciiva.com/26333/451155-da-01-en-widerstand-0603-26333685.pdf?src-supplier=Conrad, Contact Plating=Tin, Features="Moisture Resistant", Height=0.022inch, Lead Free="Lead Free", Length=0.063inch, Manufacturer Part Number=RC1608F1542CS, Number of Terminations=2, Package=0603, Packaging="Tape and Reel", Pricing 1="1=0.01730, 10=0.01350, 25=0.01280, 50=0.01230, 100=0.01180, 250=0.01140, 500=0.01090, 1000=0.01050, 3000=0.01000, 6000=0.00950, 15000=0.00910, 30000=0.00860, 75000=0.00820 (USD)", Radiation Hardening=No, RoHS=Yes, RoHS Compliant=Yes, Series=RC, Stock 1=200612, Supplier 1="Arrow Electronics", Supplier Part Number 1=RC1608F1542CS, Width=0.031inch
R49: "RES SMD 4.7K OHM 1% 1/10W 0603", Case Code (Imperial)=0603, Case Code (Metric)=1608, Manufacturer="VISHAY DALE", Max Operating Temperature=155°C, Max Power Dissipation=100mW, Min Operating Temperature=-55°C, Package Quantity=5000, Power Rating=0.1W, Resistance=4.7kΩ, Resistor Type="Thick Film", Supplier Part Number 1=541-3004-6-ND, Temperature Coefficient=100ppm/°C, TOLERANCE=1%, Voltage Rating=75V, Category="Chip SMD Resistors", ComponentLink1Description=https://datasheet.ciiva.com/9071/dcrcw-9071351.pdf?src-supplier=Avnet, ComponentLink1URL=https://datasheet.ciiva.com/9071/dcrcw-9071351.pdf?src-supplier=Avnet, ComponentLink2Description=https://datasheet.ciiva.com/2565/dcrcw-2565426.pdf?src-supplier=Digi-Key, ComponentLink2URL=https://datasheet.ciiva.com/2565/dcrcw-2565426.pdf?src-supplier=Digi-Key, Construction=Rectangular, Contact Plating=Tin,Lead, Depth=0.85mm, Features="Automotive AEC-Q200", Height=0.02inch, Lead Free="Contains Lead", Length=1.55mm, Manufacturer Part Number=CRCW06034K70FKTA, Military Standard=Not, Number of Terminations=2, Package=0603, Packaging="Tape and Reel", Power Dissipation=100mW, Pricing 1="1=0.15000, 10=0.12900, 100=0.05040, 1000=0.02111, 2500=0.01936 (USD)", Radiation Hardening=No, RoHS=No, RoHS Compliant=No, Series=CRCW, Supplier 1=Digi-Key, Voltage Rating (DC)=75V, Weight=7.1E-05oz, Width=0.033inch
R50 R52 R67 R71 R97 R102 R103 R105 R106 R113 R120 R157 R160 R163 R189 R206 R214 R218 R219 R222 R226 R228 R231 R232 R233 R234 R235 R236: "RES SMD 10K OHM 1% 1/10W 0603", Case Code (Imperial)=0603, Case Code (Metric)=1608, Manufacturer=PANASONIC, Manufacturer Part Number=ERJ-3EKF1002V, Max Operating Temperature=155°C, Max Power Dissipation=0.1W, Min Operating Temperature=-55°C, Package Quantity=1, Power Rating=100mW, Resistance=10kΩ, Resistance Tolerance=1%, Resistor Type="Thick Film", Supplier Part Number 1=1051156, Temperature Coefficient=100ppm/°C, Voltage Rating=75V, Category="Chip SMD Resistors", ComponentLink1Description=https://datasheet.ciiva.com/7830/aoa0000ce2-7830729.pdf?src-supplier=Element14, ComponentLink1URL=https://datasheet.ciiva.com/7830/aoa0000ce2-7830729.pdf?src-supplier=Element14, ComponentLink2Description=https://datasheet.ciiva.com/46372/1678782-46372725.pdf?src-supplier=Element14, ComponentLink2URL=https://datasheet.ciiva.com/46372/1678782-46372725.pdf?src-supplier=Element14, ComponentLink3Description=https://datasheet.ciiva.com/28514/426256-28514198.pdf?src-supplier=Element14, ComponentLink3URL=https://datasheet.ciiva.com/28514/426256-28514198.pdf?src-supplier=Element14, ComponentLink4Description=https://datasheet.ciiva.com/24070/aoa0000ce2-24070318.pdf?src-supplier=Mouser, ComponentLink4URL=https://datasheet.ciiva.com/24070/aoa0000ce2-24070318.pdf?src-supplier=Mouser, ComponentLink5Description=https://datasheet.ciiva.com/16759/70260748-16759807.pdf?src-supplier=Allied+Electronics, ComponentLink5URL=https://datasheet.ciiva.com/16759/70260748-16759807.pdf?src-supplier=Allied+Electronics, ComponentLink6Description=https://datasheet.ciiva.com/9194/aoa0000ce2-9194199.pdf?src-supplier=Avnet, ComponentLink6URL=https://datasheet.ciiva.com/9194/aoa0000ce2-9194199.pdf?src-supplier=Avnet, ComponentLink7Description=https://datasheet.ciiva.com/48530/aoa0000ce2-48530988.pdf?src-supplier=Avnet, ComponentLink7URL=https://datasheet.ciiva.com/48530/aoa0000ce2-48530988.pdf?src-supplier=Avnet, ComponentLink8Description=https://datasheet.ciiva.com/30208/aoa0000ce2-30208985.pdf?src-supplier=Onlinecomponents.com, ComponentLink8URL=https://datasheet.ciiva.com/30208/aoa0000ce2-30208985.pdf?src-supplier=Onlinecomponents.com, Construction=Rectangular, Contact Plating=Tin, Depth=0.8mm, Features="Automotive AEC-Q200", Height=0.45mm, Lead Free="Lead Free", Length=1.6mm, Military Standard=Not, Mount="Surface Mount", Number of Pins=2, Number of Terminations=2, Package=0603, Packaging="Tape and Reel", Radiation Hardening=No, Reach SVHC Compliant=Yes, RoHS=Yes, RoHS Compliant=Yes, Series=ERJ, Size Code=0603, Stock 1=10000, Supplier 1=Rs, Technology="THICK FILM", Termination=SMD/SMT, TOLERANCE=1%, Voltage Rating (DC)=75V, Width=0.8mm
R51: "RES SMD 0 OHM JUMPER 1/10W 0603", Case Code (Imperial)=0603, Case Code (Metric)=1608, Manufacturer="VISHAY DALE", Manufacturer Part Number=CRCW06030000Z0EBC, Max Operating Temperature=155°C, Max Power Dissipation=100mW, Min Operating Temperature=-55°C, Package Quantity=10000, Power Rating=0.1W, Ratings=AEC-Q200, Resistance=0Ω, Resistor Type="Thick Film", Supplier Part Number 1=48P7902, Temperature Coefficient=100ppm/°C, TOLERANCE=1%, Voltage Rating=75V, Category="Chip SMD Resistors", ComponentLink1Description=https://datasheet.ciiva.com/11808/0900766b80d98afc-11808678.pdf?src-supplier=Rs, ComponentLink1URL=https://datasheet.ciiva.com/11808/0900766b80d98afc-11808678.pdf?src-supplier=Rs, ComponentLink2Description=https://datasheet.ciiva.com/2563/dcrcwe3-2563949.pdf?src-supplier=Digi-Key, ComponentLink2URL=https://datasheet.ciiva.com/2563/dcrcwe3-2563949.pdf?src-supplier=Digi-Key, ComponentLink3Description=https://datasheet.ciiva.com/5550/dcrcwe3-109170-5550748.pdf?src-supplier=Mouser, ComponentLink3URL=https://datasheet.ciiva.com/5550/dcrcwe3-109170-5550748.pdf?src-supplier=Mouser, ComponentLink4Description=https://datasheet.ciiva.com/16430/dcrcwe3-16430060.pdf?src-supplier=Future+Electronics, ComponentLink4URL=https://datasheet.ciiva.com/16430/dcrcwe3-16430060.pdf?src-supplier=Future+Electronics, ComponentLink5Description=https://datasheet.ciiva.com/7791/dcrcwe3-7791992.pdf?src-supplier=Element14, ComponentLink5URL=https://datasheet.ciiva.com/7791/dcrcwe3-7791992.pdf?src-supplier=Element14, Construction=Rectangular, Contact Plating=Tin, Depth=0.85mm, Features="Automotive AEC-Q200", Height=0.45mm, Lead Free="Lead Free", Length=1.55mm, Military Standard=Not, Number of Pins=2, Number of Terminations=2, Package=0603, Packaging="Tape and Reel", Pricing 1="1=0.00300, 10000=0.00300 (USD)", Radiation Hardening=No, RoHS=Yes, RoHS Compliant=Yes, Series=CRCW, Size Code=0603, Stock 1=110000, Supplier 1=Newark, Technology="THICK FILM", Termination=SMD/SMT, Voltage Rating (DC)=75V, Weight=7.1E-05oz, Width=0.033inch
R55 R56 R85 R87 R93: "RES SMD 2K OHM 0.5% 1/10W 0603", Case Code (Imperial)=0603, Case Code (Metric)=1608, Manufacturer=YAGEO, Max Operating Temperature=125°C, Max Power Dissipation=100mW, Min Operating Temperature=-55°C, Package Quantity=5000, Power Rating=0.1W, Resistance=2kΩ, Resistor Type="Thin Film", Supplier Part Number 1=6165116, Temperature Coefficient=50ppm/°C, TOLERANCE=0.5%, Voltage Rating=75V, Voltage Rating (DC)=50V, Category="Chip SMD Resistors", ComponentLink1Description=https://datasheet.ciiva.com/2566/pyu-rt-1-to-0-05-rohs-l-5-2566187.pdf?src-supplier=Digi-Key, ComponentLink1URL=https://datasheet.ciiva.com/2566/pyu-rt-1-to-0-05-rohs-l-5-2566187.pdf?src-supplier=Digi-Key, ComponentLink2Description=https://datasheet.ciiva.com/12705/pyu-rt-1-to-0-05-rohs-l-4-12705391.pdf?src-supplier=Mouser, ComponentLink2URL=https://datasheet.ciiva.com/12705/pyu-rt-1-to-0-05-rohs-l-4-12705391.pdf?src-supplier=Mouser, Construction=Rectangular, Contact Plating=Tin,Matte, Depth=0.8mm, Features="Moisture Resistant", Height=0.022inch, Lead Free="Lead Free", Length=0.063inch, Manufacturer Part Number=RT0603DRE072KL, Military Standard=Not, Number of Terminations=2, Package=0603, Packaging="Tape and Reel", Pricing 1="5000=0.00650, 20000=0.00620, 75000=0.00590, 125000=0.00580, 250000=0.00550 (USD)", Radiation Hardening=No, RoHS=Yes, RoHS Compliant=Yes, Series=RT, Stock 1=5000, Supplier 1="Future Electronics", Termination=SMD/SMT, Width=0.031inch
R58 R59 R193 R195 R196 R197: "RES SMD 0 OHM JUMPER 1/10W 0603", Case Code (Imperial)=0603, Case Code (Metric)=1608, Manufacturer="VISHAY DALE", Manufacturer Part Number=CRCW06030000Z0EBC, Max Operating Temperature=155°C, Max Power Dissipation=100mW, Min Operating Temperature=-55°C, Package Quantity=10000, Ratings=AEC-Q200, Resistance=0Ω, Resistor Type="Thick Film", Supplier Part Number 1=48P7902, Temperature Coefficient=100ppm/°C, TOLERANCE=1%, Voltage Rating=75V, Category="Chip SMD Resistors", ComponentLink1Description=https://datasheet.ciiva.com/11808/0900766b80d98afc-11808678.pdf?src-supplier=Rs, ComponentLink1URL=https://datasheet.ciiva.com/11808/0900766b80d98afc-11808678.pdf?src-supplier=Rs, ComponentLink2Description=https://datasheet.ciiva.com/2563/dcrcwe3-2563949.pdf?src-supplier=Digi-Key, ComponentLink2URL=https://datasheet.ciiva.com/2563/dcrcwe3-2563949.pdf?src-supplier=Digi-Key, ComponentLink3Description=https://datasheet.ciiva.com/5550/dcrcwe3-109170-5550748.pdf?src-supplier=Mouser, ComponentLink3URL=https://datasheet.ciiva.com/5550/dcrcwe3-109170-5550748.pdf?src-supplier=Mouser, ComponentLink4Description=https://datasheet.ciiva.com/16430/dcrcwe3-16430060.pdf?src-supplier=Future+Electronics, ComponentLink4URL=https://datasheet.ciiva.com/16430/dcrcwe3-16430060.pdf?src-supplier=Future+Electronics, ComponentLink5Description=https://datasheet.ciiva.com/7791/dcrcwe3-7791992.pdf?src-supplier=Element14, ComponentLink5URL=https://datasheet.ciiva.com/7791/dcrcwe3-7791992.pdf?src-supplier=Element14, Construction=Rectangular, Contact Plating=Tin, Depth=0.85mm, Features="Automotive AEC-Q200", Height=0.45mm, Lead Free="Lead Free", Length=1.55mm, Military Standard=Not, Number of Pins=2, Number of Terminations=2, Package=0603, Packaging="Tape and Reel", Pricing 1="1=0.00300, 10000=0.00300 (USD)", Radiation Hardening=No, RoHS=Yes, RoHS Compliant=Yes, Series=CRCW, Size Code=0603, Stock 1=110000, Supplier 1=Newark, Technology="THICK FILM", Termination=SMD/SMT, Voltage Rating (DC)=75V, Weight=7.1E-05oz, Width=0.033inch
R60 R63 R74 R82 R88 R89: library part CMP-2005-02198-1, "RES 0.91 OHM 1% 1W 1210", Manufacturer="VISHAY DALE", Package=1210, POWER=1W, Manufacturer Part Number=RCWE1210R910FKEA, Part Number=RCWE1210R910FKEA
R61 R64 R75 R83 R95 R96: "RES SMD 0 OHM JUMPER 3/4W 1210", Case Code (Imperial)=1210, Case Code (Metric)=3225, Manufacturer="VISHAY DALE", Max Operating Temperature=155°C, Max Power Dissipation=750mW, Min Operating Temperature=-55°C, Package Quantity=10, Power Rating=0.75W, Resistance=0Ω, Supplier Part Number 1=71-CRCW12100000Z0EAH, Category="Chip SMD Resistors", ComponentLink1Description=https://datasheet.ciiva.com/2477/crcwhpe3-2477993.pdf?src-supplier=Digi-Key, ComponentLink1URL=https://datasheet.ciiva.com/2477/crcwhpe3-2477993.pdf?src-supplier=Digi-Key, ComponentLink2Description=https://datasheet.ciiva.com/2477/crcwhpe3-2477991.pdf?src-supplier=Digi-Key, ComponentLink2URL=https://datasheet.ciiva.com/2477/crcwhpe3-2477991.pdf?src-supplier=Digi-Key, ComponentLink3Description=https://datasheet.ciiva.com/2477/crcwhpe3-2477992.pdf?src-supplier=Digi-Key, ComponentLink3URL=https://datasheet.ciiva.com/2477/crcwhpe3-2477992.pdf?src-supplier=Digi-Key, ComponentLink4Description=https://datasheet.ciiva.com/9109/crcwhpe3-9109997.pdf?src-supplier=Avnet, ComponentLink4URL=https://datasheet.ciiva.com/9109/crcwhpe3-9109997.pdf?src-supplier=Avnet, ComponentLink5Description=https://datasheet.ciiva.com/48527/crcwhpe3-48527662.pdf?src-supplier=Avnet, ComponentLink5URL=https://datasheet.ciiva.com/48527/crcwhpe3-48527662.pdf?src-supplier=Avnet, Features="Automotive AEC-Q200", Height=0.028inch, Lead Free="Lead Free", Length=0.126inch, Manufacturer Part Number=CRCW12100000Z0EAHP, Number of Terminations=2, Package=1210, Packaging="Tape and Reel", Pricing 1="1=0.7, 10=0.535, 50=0.535, 100=0.225, 1000=0.135, 10000=0.134 (USD)", Radiation Hardening=No, RoHS=Yes, RoHS Compliant=Yes, Series=CRCW-HP, Stock 1=904, Supplier 1=Mouser, Termination=SMD/SMT, Weight=0.000564oz, Width=0.098inch
R84 R86 R90: library part CMP-1017-00397-1, "RES 100 OHM 1% 3/4W 2010", Case-Metric=5025, Manufacturer=YAGEO, Package=2010, POWER="0.75 W", TOLERANCE="1 %", Manufacturer Part Number=RC2010FK-07100RL, Technology=SMT